# Altium PCB CL-HC-M-V2.1gerber.PcbDoc (part 11 of 16) (continued)
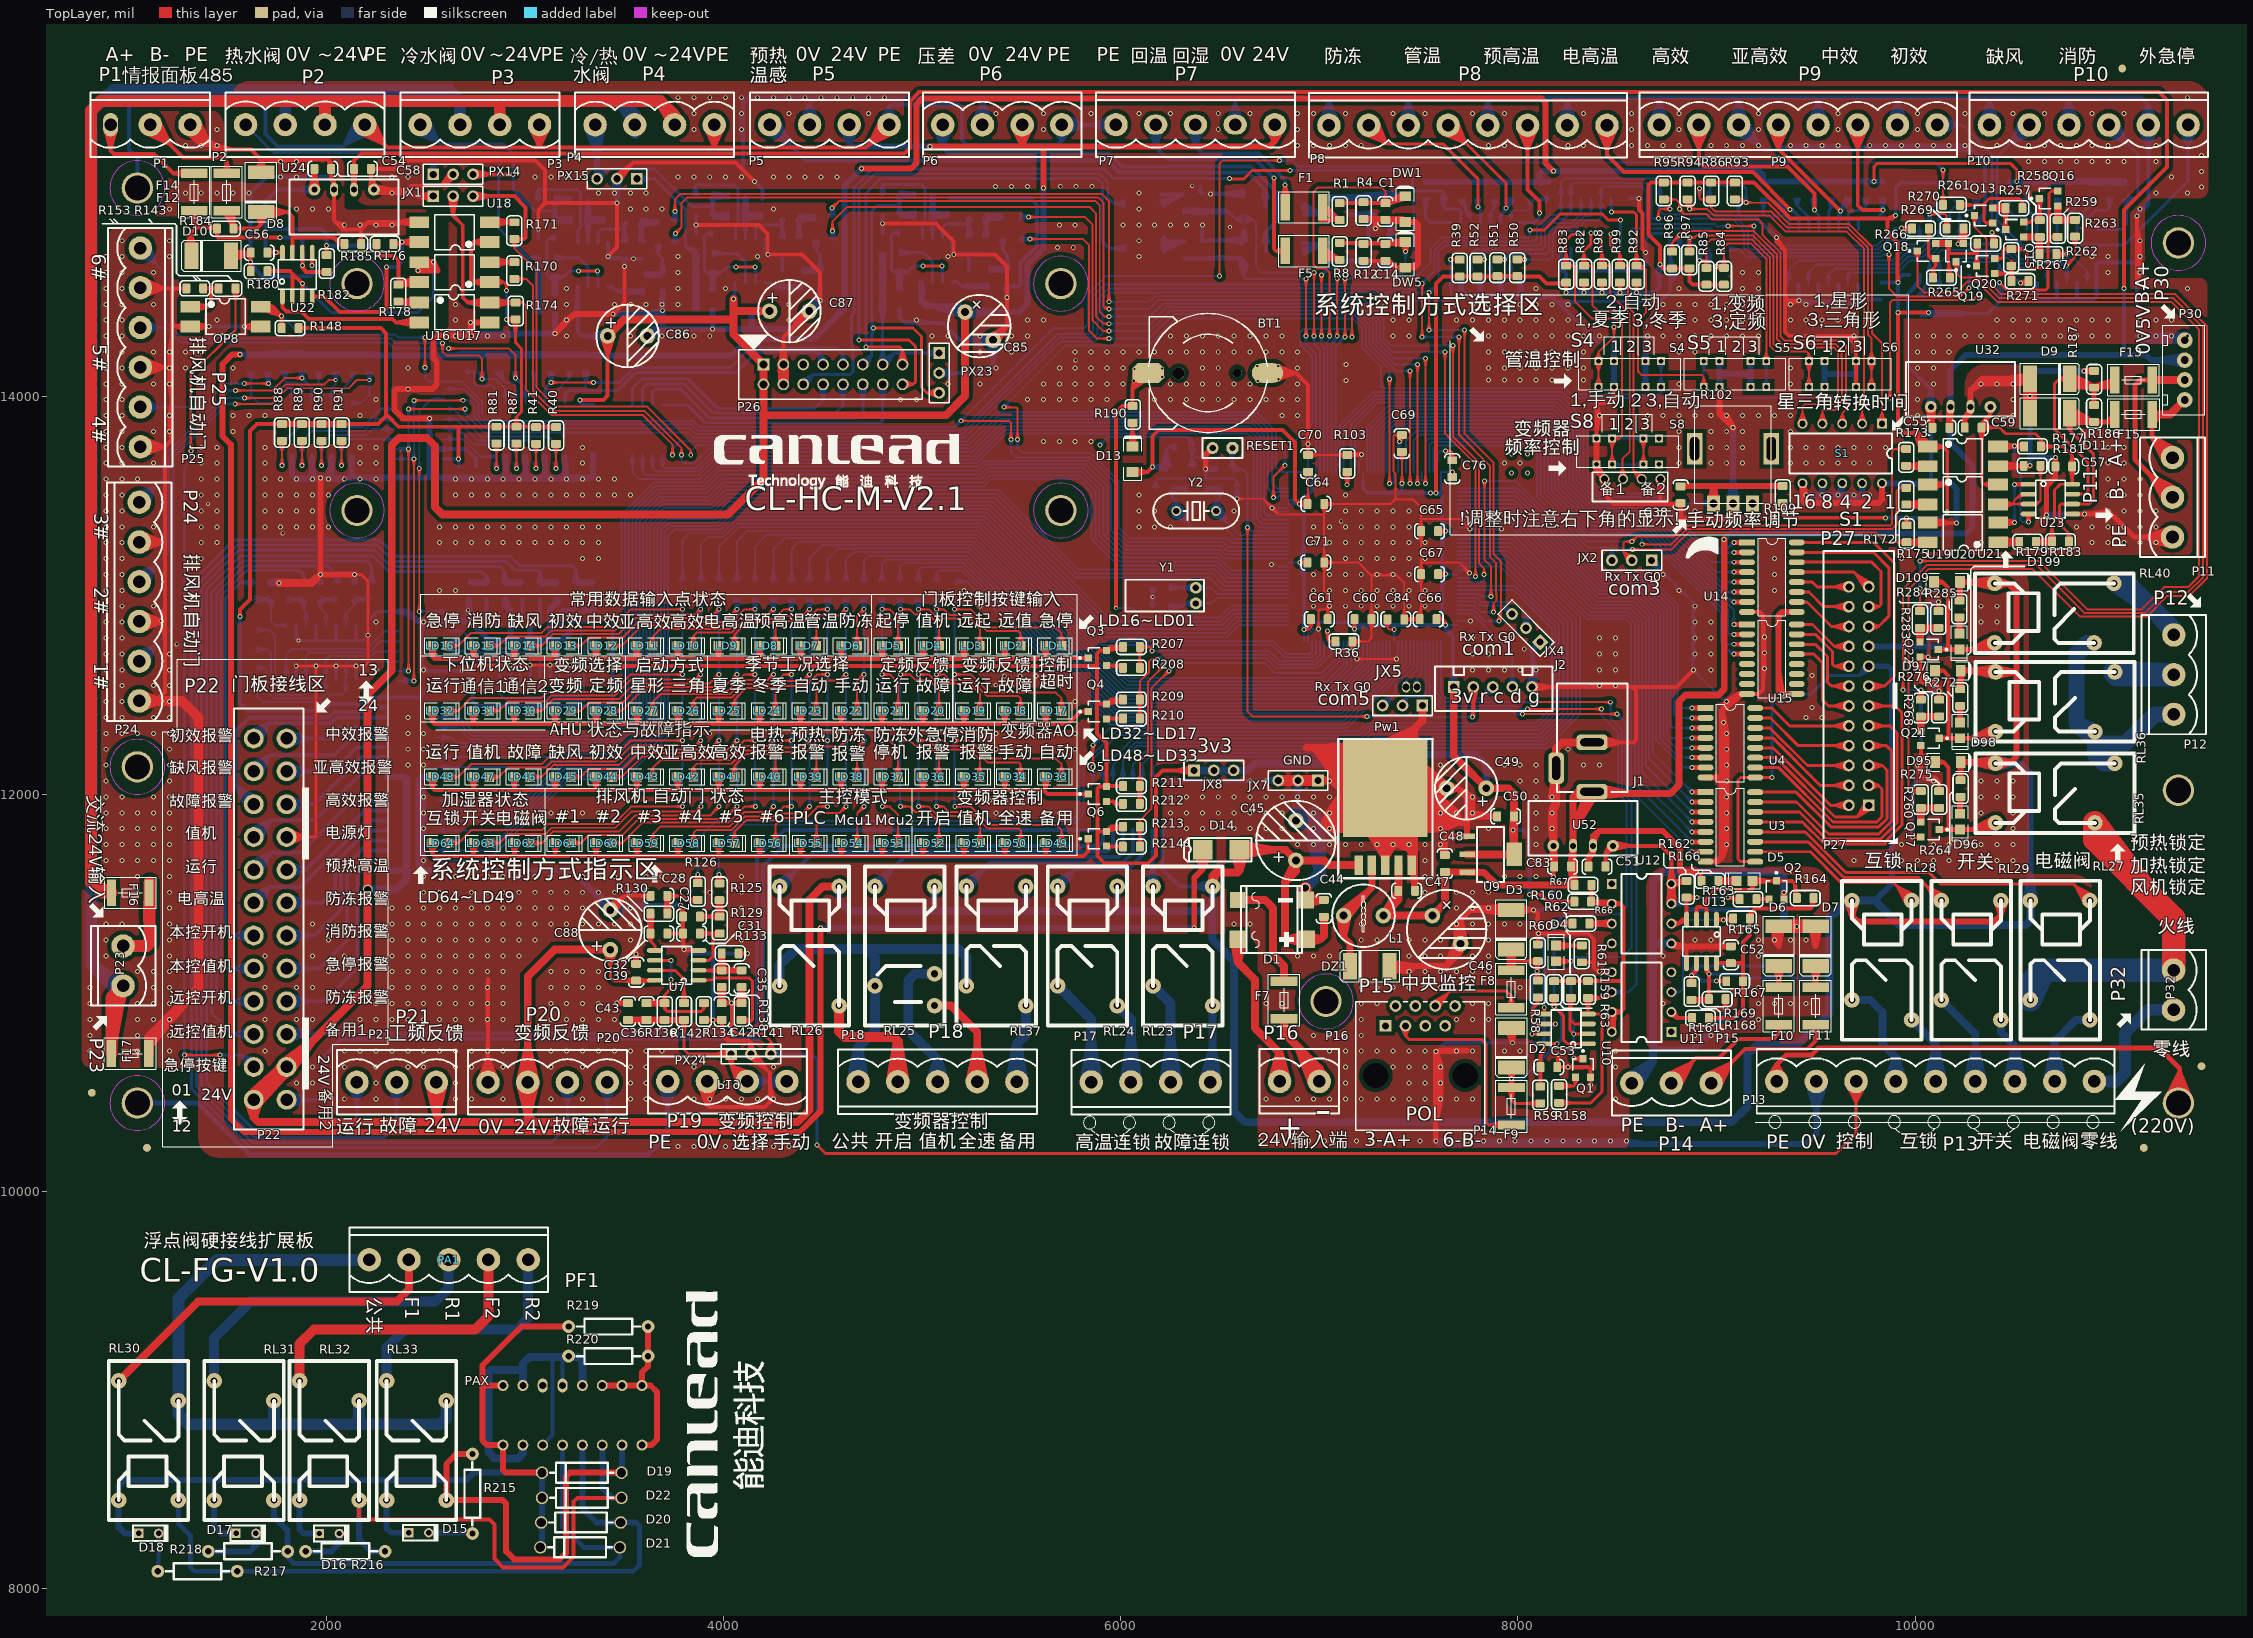
[diagram p0: TopLayer view]
## Nets (pads, with @x,y where several pads share a name; then routed paths per layer and width w, separated by ;. In a path a pad name is that pad's centre, name@x,y a point inside that pad or via, vN(x,y) a via of type N, cw(c..) or ccw(c..) an arc to the next point about the centre after c; other vN are vias at no path point) (continued)
LED-OUT-PIN15: LD15.K LD31.K LD47.K LD63.K R205.2 | length 8564.6
  TopLayer w10: LD47.K@2821.11,12086.56 2869.81,12086.56 ; LD31.K@2821.11,12419.54 2869.81,12419.54 ; LD15.K@2821.11,12747.17 2869.81,12747.17 ; LD63.K@2821.65,11753.58 2870.36,11753.58 ; LD47.K@2822.13,12076.61 2869.81,12086.56 ; LD47.K@2822.13,12096.51 2869.81,12086.56 ; LD31.K@2822.13,12409.59 2869.81,12419.54 ; LD31.K@2822.13,12429.49 2869.81,12419.54 ; LD15.K@2822.13,12737.22 2869.81,12747.17 ; LD15.K@2822.13,12757.11 2869.81,12747.17 ; LD63.K@2822.68,11743.63 2870.36,11753.58 ; LD63.K@2822.68,11763.52 2870.36,11753.58 ; LD47.K@2825.21,12066.98 2869.81,12086.56 ; LD47.K@2825.21,12106.13 2869.81,12086.56 ; LD31.K@2825.21,12399.97 2869.81,12419.54 ; LD31.K@2825.21,12439.12 2869.81,12419.54 ; LD15.K@2825.21,12727.59 2869.81,12747.17 ; LD15.K@2825.21,12766.74 2869.81,12747.17 ; LD63.K@2825.76,11734 2870.36,11753.58 ; LD63.K@2825.76,11773.15 2870.36,11753.58 ; v1@3879.97,12274.89 3860.09,12244.45 ; v1@3879.97,12607.87 3860.09,12577.44 ; v1@3879.97,12935.49 3860.09,12905.06 ; v1@3880.51,11941.9 3860.63,11911.47 ; v1@3890.52,12264.34 3860.09,12244.45 ; v1@3890.52,12597.32 3860.09,12577.44 ; v1@3890.52,12924.94 3860.09,12905.06 ; v1@3891.06,11931.35 3860.63,11911.47 ; 2869.81,12086.56 2916.51,12133.26 3105.55,12133.26 3136.05,12163.76 3455.3,12163.76 3535.99,12244.45 3860.09,12244.45 ; 2869.81,12419.54 2916.51,12466.24 3105.55,12466.24 3136.05,12496.74 3455.3,12496.74 3535.99,12577.44 3860.09,12577.44 ; 2869.81,12747.17 2916.51,12793.87 3105.55,12793.87 3136.05,12824.37 3455.3,12824.37 3535.99,12905.06 3860.09,12905.06 ; 2870.36,11753.58 2917.06,11800.28 3106.09,11800.28 3136.59,11830.78 3455.84,11830.78 3536.54,11911.47 3860.63,11911.47 ; 3860.09,12244.45 v1(3885.79,12270.16) 3860.09,12244.45 ; 3860.09,12577.44 v1(3885.79,12603.14) 3860.09,12577.44 ; 3860.09,12905.06 v1(3885.79,12930.77) 3860.09,12905.06 ; 3860.63,11911.47 v1(3886.34,11937.18) 3860.63,11911.47
  BottomLayer w10: R205.2@3871.5,12983.84 v1@3886.34,12936.09 ; v1@3878.33,12269.4 3886.34,12227.65 ; v1@3878.33,12270.92 3886.34,12312.67 ; v1@3878.33,12602.38 3886.34,12560.63 ; v1@3878.32,12602.45 3885.97,12560.64 v1@3893.26,12602.51 ; v1@3878.33,12603.9 3886.34,12645.65 ; v1@3878.33,12930.01 3886.34,12888.25 ; v1@3878.39,12929.53 R205.2@3875.01,12972.54 ; v1@3878.78,12933.43 R205.2@3897.55,12972.2 ; v1@3878.86,11937.84 3886.34,11979.68 v1@3893.81,11937.84 ; 3885.79,12363.38 3886.34,12489.78 v1(3886.34,11937.18) ; v1@3892.86,12933.26 R205.2@3875.01,12972.54 ; v1@3893.16,12929.35 R205.2@3897.55,12972.2 ; v1@3893.27,12269.59 3886.34,12227.65 ; v1@3893.27,12270.72 3886.34,12312.67 ; v1@3893.27,12602.58 3886.34,12560.63 ; v1@3893.27,12603.71 3886.34,12645.65 ; v1@3893.27,12930.2 3886.34,12888.25 ; R205.2@3901.16,12983.84 v1@3886.34,12936.09 ; R205.2@3875.01,12972.54 v1(3885.79,12930.77) ; v1(3885.79,12603.14) 3886.34,12476.74 R205.2@3886.33,12986.09 v1@3886.34,12936.09 ; v1(3885.79,12603.14) 3886.34,12645.65 ; v1(3885.79,12603.14) 3886.34,12560.63 ; v1(3885.79,12930.77) R205.2@3897.55,12972.2 ; v1(3885.79,12930.77) R205.2@3886.33,12973.28 ; v1(3885.79,12930.77) R205.2@3886.34,12973.27 ; v1(3885.79,12930.77) 3886.34,12888.25 ; 3886.34,12227.65 v1(3885.79,12270.16) 3886.34,12312.67 ; R205.2@3886.33,12973.28 3878.33,12931.52 R205.2@3886.34,12973.27 ; R205.2@3886.33,12973.28 3893.27,12931.33 R205.2@3886.34,12973.27
LED-OUT-PIN16: LD16.K LD32.K LD48.K LD64.K R206.2 | length 9079.1
  TopLayer w10: LD48.K@2615.32,12086.56 2664.55,12086.56 ; LD32.K@2615.32,12419.54 2664.55,12419.54 ; LD16.K@2615.32,12747.17 2664.55,12747.17 ; LD64.K@2615.86,11753.58 2665.1,11753.58 ; LD48.K@2616.33,12076.61 2664.55,12086.56 ; LD48.K@2616.33,12096.51 2664.55,12086.56 ; LD32.K@2616.33,12409.59 2664.55,12419.54 ; LD32.K@2616.33,12429.49 2664.55,12419.54 ; LD16.K@2616.33,12737.22 2664.55,12747.17 ; LD16.K@2616.33,12757.11 2664.55,12747.17 ; LD64.K@2616.88,11743.63 2665.1,11753.58 ; LD64.K@2616.88,11763.52 2665.1,11753.58 ; LD48.K@2619.38,12066.98 2664.55,12086.56 ; LD48.K@2619.38,12106.14 2664.55,12086.56 ; LD32.K@2619.38,12399.96 2664.55,12419.54 ; LD32.K@2619.38,12439.12 2664.55,12419.54 ; LD16.K@2619.38,12727.58 2664.55,12747.17 ; LD16.K@2619.38,12766.75 2664.55,12747.17 ; LD64.K@2619.92,11733.99 2665.1,11753.58 ; LD64.K@2619.92,11773.16 2665.1,11753.58 ; v1@3793.9,12262.69 3752.07,12270.16 ; v1@3793.9,12277.63 3752.07,12270.16 ; v1@3793.9,12595.67 3752.07,12603.14 ; v1@3793.9,12610.61 3752.07,12603.14 ; v1@3793.9,12923.29 3752.07,12930.77 ; v1@3793.9,12938.24 3752.07,12930.77 ; v1@3794.45,11929.7 3752.61,11937.18 ; v1@3794.45,11944.65 3752.61,11937.18 ; 2664.55,12086.56 2729.25,12151.26 3084.38,12151.26 3114.89,12181.76 3445.99,12181.76 3534.39,12270.16 v1(3794.57,12270.16) 3752.07,12270.16 ; 2664.55,12419.54 2729.25,12484.24 3084.38,12484.24 3114.89,12514.74 3445.99,12514.74 3534.39,12603.14 v1(3794.57,12603.14) 3752.07,12603.14 ; 2664.55,12747.17 2729.25,12811.87 3084.38,12811.87 3114.89,12842.37 3445.99,12842.37 3534.39,12930.77 v1(3794.57,12930.77) 3752.07,12930.77 ; 2665.1,11753.58 2729.8,11818.28 3084.93,11818.28 3115.43,11848.78 3446.53,11848.78 3534.93,11937.18 v1(3795.11,11937.18) 3752.61,11937.18
  BottomLayer w10: R206.2@3780.28,12983.84 v1@3795.11,12936.09 ; v1@3787.1,12269.4 3795.11,12227.65 ; v1@3787.1,12270.92 3795.11,12312.67 ; v1@3787.1,12602.38 3795.11,12560.63 ; v1@3787.1,12602.45 3794.76,12560.64 v1@3802.04,12602.51 ; v1@3787.1,12603.9 3795.11,12645.65 ; v1@3787.1,12930.01 3795.11,12888.25 ; v1@3787.17,12929.53 R206.2@3783.79,12972.54 ; v1@3787.56,12933.43 R206.2@3806.32,12972.2 ; v1@3787.64,11937.84 3795.11,11979.68 v1@3802.58,11937.84 ; 3794.57,12363.38 3795.11,12483.26 ; R206.2@3795.11,12986.09 v1@3795.11,12936.09 ; v1(3795.11,11937.18) 3795.11,12483.26 ; R206.2@3795.11,12986.09 3795.11,12483.26 ; v1@3801.64,12933.26 R206.2@3783.79,12972.54 ; v1@3801.93,12929.35 R206.2@3806.32,12972.2 ; v1@3802.04,12269.59 3795.11,12227.65 ; v1@3802.04,12270.72 3795.11,12312.67 ; v1@3802.04,12602.58 3795.11,12560.63 ; v1@3802.04,12603.71 3795.11,12645.65 ; v1@3802.04,12930.2 3795.11,12888.25 ; R206.2@3809.94,12983.84 v1@3795.11,12936.09 ; R206.2@3783.79,12972.54 v1(3794.57,12930.77) ; v1(3794.57,12603.14) 3795.11,12483.26 ; v1(3794.57,12603.14) 3795.11,12645.65 ; v1(3794.57,12603.14) 3795.11,12560.63 ; v1(3794.57,12930.77) R206.2@3806.32,12972.2 ; v1(3794.57,12930.77) R206.2@3795.11,12973.28 ; v1(3794.57,12930.77) R206.2@3795.11,12973.27 ; v1(3794.57,12930.77) 3795.11,12888.25 ; R206.2@3795.11,12973.28 3787.1,12931.52 R206.2@3795.11,12973.27 ; R206.2@3795.11,12973.28 3802.04,12931.33 R206.2@3795.11,12973.27 ; 3795.11,12227.65 v1(3794.57,12270.16) 3795.11,12312.67
LED-PIN01: R191.1 U33.118 | length 2993.7
  BottomLayer w10: R191.1@5163.5,13071.09 5226.2,13071.09 5945.61,12351.69 7132.16,12351.69 7435.77,12655.3 U33.118@7435.77,12768.25 ; R191.1@5168.5,13071.09 5218.5,13071.09 ; R191.1@5170.75,13056.26 5218.5,13071.09 ; R191.1@5170.75,13085.92 5218.5,13071.09 ; 7435.77,12703.25 U33.118@7435.77,12738
LED-PIN02: R192.1 U33.119 | length 3049.6
  BottomLayer w10: R192.1@5057.52,13073.82 5072.28,13112.36 ; R192.1@5072.28,13071.09 5072.28,13112.36 ; R192.1@5087.03,13073.82 5072.28,13112.36 ; 7416.09,12703.25 U33.119@7416.09,12738 ; U33.119@7416.09,12768.25 7416.09,12661.07 7124.7,12369.69 5953.06,12369.69 5196.27,13126.48 5086.4,13126.48 5072.28,13112.36
LED-PIN03: R193.1 U33.122 | length 3127.8
  BottomLayer w10: R193.1@4966.22,13073.34 4981.05,13121.09 R193.1@4995.88,13073.34 ; R193.1@4981.05,13071.09 4981.05,13127.64 4997.89,13144.48 5203.73,13144.48 5960.52,12387.69 7117.24,12387.69 7357.03,12627.47 U33.122@7357.03,12768.25 ; 7357.03,12703.25 U33.122@7357.03,12738
LED-PIN04: R194.1 U33.123 | length 3207.5
  BottomLayer w10: R194.1@4874.99,13073.34 4889.82,13121.09 R194.1@4904.65,13073.34 ; R194.1@4889.82,13071.09 4889.82,13147.36 4904.94,13162.48 5211.18,13162.48 5967.98,12405.69 7109.79,12405.69 7337.35,12633.24 U33.123@7337.35,12768.25 ; 7337.35,12703.25 U33.123@7337.35,12738
LED-PIN05: R195.1 U33.124 | length 3284
  BottomLayer w10: R195.1@4783.77,13073.34 4798.6,13121.09 R195.1@4813.43,13073.34 ; R195.1@4798.6,13071.09 4798.6,13161.48 4817.6,13180.48 5218.64,13180.48 5975.43,12423.69 7102.33,12423.69 7317.66,12639.01 U33.124@7317.66,12768.25 ; 7317.66,12703.25 U33.124@7317.66,12738
LED-PIN06: R196.1 U33.125 | length 3359.1
  BottomLayer w10: R196.1@4692.54,13073.34 4707.37,13121.09 R196.1@4722.2,13073.34 ; R196.1@4707.37,13071.09 4707.37,13173.43 4732.42,13198.48 5226.09,13198.48 5982.89,12441.69 7094.88,12441.69 7297.98,12644.78 U33.125@7297.98,12768.25 ; 7297.98,12703.25 U33.125@7297.98,12738
LED-PIN07: R197.1 U33.126 | length 3432.7
  BottomLayer w10: R197.1@4601.31,13073.34 4616.14,13121.09 R197.1@4630.97,13073.34 ; R197.1@4616.14,13071.09 4616.14,13180.71 4653.31,13217.88 5235.8,13217.88 5994,12459.69 7087.42,12459.69 7278.29,12650.55 U33.126@7278.29,12768.25 ; 7278.29,12703.25 U33.126@7278.29,12738
LED-PIN08: R198.1 U33.127 | length 3502.3
  BottomLayer w10: R198.1@4510.09,13073.34 4524.92,13121.09 R198.1@4539.75,13073.34 ; R198.1@4524.92,13071.09 4524.92,13183.2 4577.59,13235.88 5243.26,13235.88 6001.45,12477.69 7079.97,12477.69 7258.61,12656.33 U33.127@7258.61,12768.25 ; 7258.61,12703.25 U33.127@7258.61,12738
LED-PIN09: R199.1 U33.128 | length 3575.3
  BottomLayer w10: R199.1@4418.86,13073.34 4433.69,13121.09 R199.1@4448.52,13073.34 ; R199.1@4433.69,13071.09 4433.69,13191.35 4496.22,13253.88 5250.72,13253.88 6008.91,12495.69 7072.51,12495.69 7238.92,12662.1 U33.128@7238.92,12768.25 ; 7238.92,12703.25 U33.128@7238.92,12738
LED-PIN10: R200.1 U33.129 | length 3667
  BottomLayer w10: R200.1@4327.63,13073.34 4342.47,13121.09 R200.1@4357.3,13073.34 ; R200.1@4342.47,13071.09 4342.47,13231.53 4382.81,13271.88 5258.17,13271.88 6016.36,12513.69 7065.05,12513.69 7219.24,12667.87 U33.129@7219.24,12768.25 ; 7219.24,12703.25 U33.129@7219.24,12738
LED-PIN11: R201.1 U33.132 | length 3715.2
  BottomLayer w10: R201.1@4236.41,13073.34 4251.24,13121.09 R201.1@4266.07,13073.34 ; R201.1@4251.24,13071.09 4251.24,13229.36 4311.76,13289.88 5265.63,13289.88 6023.82,12531.69 7053.64,12531.69 7160.18,12638.23 U33.132@7160.18,12768.25 ; 7160.18,12703.25 U33.132@7160.18,12738
LED-PIN12: R202.1 U33.133 | length 3794.2
  BottomLayer w10: R202.1@4145.18,13073.34 4160.01,13121.09 R202.1@4174.84,13073.34 ; R202.1@4160.01,13071.09 4160.01,13247.84 4220.05,13307.88 5273.08,13307.88 6031.28,12549.69 7046.18,12549.69 7140.5,12644 U33.133@7140.5,12768.25 ; 7140.5,12703.25 U33.133@7140.5,12738
LED-PIN13: R203.1 U33.134 | length 3877.6
  BottomLayer w10: R203.1@4053.95,13073.34 4068.79,13121.09 R203.1@4083.62,13073.34 ; R203.1@4068.79,13071.09 4068.79,13273.89 4120.78,13325.88 5280.54,13325.88 6038.73,12567.69 7038.73,12567.69 7120.81,12649.77 U33.134@7120.81,12768.25 ; 7120.81,12703.25 U33.134@7120.81,12738
LED-PIN14: R204.1 U33.135 | length 3921.4
  BottomLayer w10: R204.1@3962.73,13073.34 3977.56,13121.09 R204.1@3992.39,13073.34 ; R204.1@3977.56,13071.09 3977.56,13245.11 4076.33,13343.88 5288,13343.88 6046.19,12585.69 7018.38,12585.69 7101.13,12668.43 U33.135@7101.13,12768.25 ; 7101.13,12703.25 U33.135@7101.13,12738
LED-PIN15: R205.1 U33.141 | length 3804.2
  BottomLayer w10: R205.1@3871.5,13073.34 3886.33,13121.09 R205.1@3901.16,13073.34 ; R205.1@3886.33,13071.09 3886.33,13257.6 3924.17,13295.43 4001.75,13295.43 4069.23,13362.91 5294.94,13362.91 5908.07,12749.78 6763.75,12749.78 6825.27,12688.26 6962.95,12688.26 6983.02,12708.33 ; U33.141@6983.02,12738 6983.02,12708.33 ; U33.141@6983.02,12768.25 6983.02,12708.33
LED-PIN16: R206.1 U33.142 | length 3873.7
  BottomLayer w10: R206.1@3780.28,13073.34 3795.11,13121.09 R206.1@3809.94,13073.34 ; R206.1@3795.11,13071.09 3795.11,13281.49 3827.05,13313.43 3994.3,13313.43 4061.78,13380.92 5305.32,13380.92 5918.46,12767.78 6771.21,12767.78 6832.72,12706.26 6951.19,12706.26 6963.33,12718.4 ; U33.142@6963.33,12738 6963.33,12718.4 ; U33.142@6963.33,12768.25 6963.33,12718.4
L加热: P12.2 RL36.3 | length 582.6
  BottomLayer w118.11: RL36.3@11004.37,12615.01 P12.2@11302.26,12601.51 RL36.3@11017.87,12601.51
L变频: P12.3 RL35.3 RL36.4 RL40.4 | length 1683.8
  BottomLayer w80: P12.3@11302.26,12401.51 11205.31,12401.51 11059.83,12256.03 10904.37,12256.03 ; 10812.38,12356.36 10812.38,12710.36 ; 10812.38,12356.36 10853.72,12315.01 ; 10812.38,12356.36 RL36.4@10904.37,12315.01 ; 10812.38,12710.36 10863.47,12761.46 RL40.4@10900.31,12761.46 10812.38,12710.36 ; 10853.72,12315.01 RL36.4@10904.37,12315.01 ; 10853.72,12315.01 RL36.4@10904.37,12315.01 ; 10904.37,12198.37 10947.74,12155 ; 10904.37,12198.37 RL35.3@11004.37,12155 ; 10904.37,12198.37 10904.37,12256.03 ; 10904.37,12256.03 RL36.4@10904.37,12315.01 ; 10947.74,12155 RL35.3@11004.37,12155 ; 10947.74,12155 RL35.3@11004.37,12155
L预热: P12.1 RL40.3 | length 1137.5
  BottomLayer w80: 11091.69,13045.04 P12.1@11302.26,12801.51 11302.26,12834.48 11075.28,13061.46 ; 11254.95,12881.78 RL40.3@11000.31,13061.46 ; RL40.3@11000.31,13061.46 11075.28,13061.46 ; RL40.3@11000.31,13061.46 11075.28,13061.46
MCUVBAT: BT1.1 R190.2 U33.6 | length 3272.5
  TopLayer w20: 5977.53,13006.76 v2(5977.54,12936.76) 5977.53,13921.8 6009.98,13954.25 ; R190.2@6055.46,13954.25 6009.98,13954.25 ; BT1.1@6124.89,14108.3 6060.46,14041.31 ; BT1.1@6137.85,14092.78 6060.46,14041.31 ; BT1.1@6139.26,14120.12 6060.46,14041.31 ; 6009.98,13954.25 R190.2@6060.46,13954.25 6060.46,14041.31 ; 6060.46,14041.31 6072.85,14133.42 v2(6066.53,14081.83) ; 6060.46,14041.31 6092.48,14128.56 v2(6066.53,14081.83) ; 6060.46,14041.31 6109.74,14120.12 v2(6066.53,14081.83) ; 6060.46,14041.31 v2(6066.53,14081.83) ; 6060.46,14041.31 v2(6066.53,14081.83) ; 6060.46,14041.31 v2(6066.53,14081.83) ; v2(6066.53,14081.83) v2(6069.82,14140.38) 6064.18,14069 v2(6066.53,14081.83)
  BottomLayer w10: 6017.54,12936.75 v2(5977.54,12936.76) 6060.54,12936.75 6107.94,12889.35 6496.76,12889.35 6556.77,12949.35 U33.6@6841.28,12949.35 ; 6776.28,12949.35 U33.6@6811.03,12949.35
  other v2: 6209.97,14100.13 6208.51,14142.95
NetC4_1: C4.1 R100.2 R106.1 | length 1423.4
  BottomLayer w15: C4.1@3575.3,14781.56 3587.74,14845.36 C4.1@3600.18,14781.56 ; R106.1@3575.3,14874.15 3587.74,14810.36 ; C4.1@3587.74,14780.36 R106.1@3587.74,14880.36 ; R106.1@3587.74,14885.36 R100.2@3653.31,14888.61 ; R106.1@3587.9,14862.86 R100.2@3653.46,14869.94 ; R106.1@3588.31,14897.84 R100.2@3653.31,14888.61 ; R106.1@3588.75,14867.9 R100.2@3652.76,14879.34 ; R106.1@3588.94,14867.91 3652.74,14880.36 R106.1@3588.94,14892.8 ; R106.1@3589.14,14892.78 R100.2@3652.76,14879.34 ; R106.1@3589.55,14872.99 R100.2@3653.31,14888.61 ; R106.1@3589.94,14887.66 R100.2@3653.46,14869.94 ; R106.1@3600.18,14874.15 3587.74,14810.36 ; R100.2@3669.09,14866.55 R106.1@3605.53,14880.36 ; R100.2@3669.63,14891.42 R106.1@3605.53,14880.36 ; 3587.74,14810.36 3587.74,14875.36 R100.2@3653.46,14869.94 ; R106.1@3587.74,14880.36 3669.16,14880.36 R100.2@3670.56,14878.96 R106.1@3605.53,14880.36 ; R106.1@3587.74,14880.36 R100.2@3652.76,14879.34
NetC5_1: C5.1 R101.2 R107.1 | length 1508.7
  BottomLayer w15: R107.1@3602.74,14616.21 C5.1@3692.74,14616.21 3692.74,14695.36 3672.13,14715.97 ; R107.1@3607.06,14603.72 C5.1@3673.02,14606.4 ; R107.1@3607.06,14628.69 C5.1@3673.02,14626.01 ; R107.1@3610.76,14604.08 C5.1@3673.02,14626.01 ; R107.1@3610.76,14628.34 C5.1@3673.02,14606.4 ; R101.2@3659.73,14762.94 3672.13,14715.97 ; R101.2@3672.13,14764.55 3672.13,14715.97 ; R101.2@3672.13,14769.55 3672.13,14715.97 ; C5.1@3680.3,14617.41 3692.74,14681.21 C5.1@3705.18,14617.41 ; R101.2@3684.53,14762.94 3672.13,14715.97 ; C5.1@3686.54,14603.76 R107.1@3622.74,14616.21 ; C5.1@3686.54,14628.65 R107.1@3622.74,14616.21 ; C5.1@3687.74,14616.21 R107.1@3622.74,14616.21 ; R107.1@3607.74,14616.21 C5.1@3672.74,14616.21 ; R107.1@3607.74,14616.21 C5.1@3673.02,14606.4 ; R107.1@3607.74,14616.21 C5.1@3672.74,14616.21 ; R107.1@3607.74,14616.21 C5.1@3673.02,14626.01 ; C5.1@3672.74,14616.21 3608.94,14628.65 C5.1@3672.74,14616.21 ; C5.1@3672.74,14616.21 3608.94,14603.76 C5.1@3672.74,14616.21
NetC6_1: C6.1 R104.2 R108.1 | length 1158.8
  BottomLayer w15: C6.1@4368.71,14802.42 4381.15,14866.22 C6.1@4393.59,14802.42 ; R108.1@4368.71,14895.01 4381.15,14831.22 ; C6.1@4381.15,14801.22 R108.1@4381.15,14901.22 R104.2@4462.57,14901.22 ; R108.1@4381.15,14906.22 R104.2@4446.39,14910.74 ; R108.1@4381.48,14883.72 R104.2@4446.39,14891.69 ; R108.1@4381.48,14918.71 R104.2@4446.39,14910.74 ; R108.1@4382.36,14888.77 4446.15,14901.22 R108.1@4382.36,14913.66 ; R108.1@4383.21,14893.89 R104.2@4446.39,14910.74 ; R108.1@4383.21,14908.55 R104.2@4446.39,14891.69 ; R108.1@4393.6,14895.01 4381.15,14831.22 ; R104.2@4461.37,14888.77 4397.57,14901.22 R104.2@4461.37,14913.66 ; 4381.15,14831.22 4381.15,14896.22 R104.2@4446.39,14891.69
NetC7_1: C7.1 R105.2 R110.1 | length 1573.7
  BottomLayer w15: R110.1@4396.15,14637.07 C7.1@4486.15,14637.07 ; R110.1@4400.47,14624.58 C7.1@4466.43,14627.26 ; R110.1@4400.47,14649.55 C7.1@4466.43,14646.87 ; R110.1@4404.17,14624.94 C7.1@4466.43,14646.87 ; R110.1@4404.17,14649.2 C7.1@4466.43,14627.26 ; R105.2@4453.14,14783.8 4465.54,14736.83 ; R105.2@4465.54,14785.41 4465.54,14736.83 ; R105.2@4465.54,14790.41 4465.54,14736.83 ; C7.1@4473.71,14638.27 4486.15,14702.07 ; R105.2@4477.94,14783.8 4465.54,14736.83 ; C7.1@4479.95,14624.62 R110.1@4416.15,14637.07 ; C7.1@4479.95,14649.51 R110.1@4416.15,14637.07 ; C7.1@4481.15,14637.07 R110.1@4416.15,14637.07 ; C7.1@4498.6,14638.27 4486.15,14702.07 ; R110.1@4401.15,14637.07 C7.1@4466.15,14637.07 ; R110.1@4401.15,14637.07 C7.1@4466.43,14646.87 ; R110.1@4401.15,14637.07 C7.1@4466.15,14637.07 ; R110.1@4401.15,14637.07 C7.1@4466.43,14627.26 ; 4465.54,14736.83 4486.15,14716.22 C7.1@4486.15,14637.07 ; C7.1@4466.15,14637.07 4402.36,14649.51 C7.1@4466.15,14637.07 ; C7.1@4466.15,14637.07 4402.36,14624.62 C7.1@4466.15,14637.07 ; C7.1@4486.15,14637.07 4486.15,14702.07
NetC8_1: C8.1 R106.2 U1.3 | length 538.9
  BottomLayer w15: U1.3@3367.74,14773.68 3367.74,14825.78 ; U1.3@3367.74,14801.68 3367.74,14825.78 ; C8.1@3490.3,14781.56 3502.74,14845.36 C8.1@3515.18,14781.56 ; R106.2@3490.52,14872.74 3502.74,14845.5 ; C8.1@3502.74,14780.36 3502.74,14845.5 ; R106.2@3502.74,14875.36 3502.74,14845.5 ; R106.2@3502.74,14880.36 3502.74,14845.5 ; R106.2@3514.96,14872.74 3502.74,14845.5 ; 3367.74,14825.78 3387.46,14845.5 3502.74,14845.5
NetC9_1: C9.1 R107.2 U1.5 | length 1501.7
  BottomLayer w15: U1.5@3417.74,14553.68 3441.9,14553.68 3464.37,14531.21 ; C9.1@3495.4,14518.93 3464.37,14531.21 ; C9.1@3495.4,14543.48 3464.37,14531.21 ; C9.1@3497.74,14531.21 3464.37,14531.21 ; C9.1@3507.74,14531.21 3572.74,14531.21 ; C9.1@3508.94,14518.76 3572.74,14531.21 ; C9.1@3508.94,14543.65 3572.74,14531.21 ; R107.2@3595.08,14518.99 3532,14539.15 ; R107.2@3595.08,14543.42 3532,14523.26 ; R107.2@3598.06,14518.71 3532,14523.26 ; R107.2@3598.06,14543.7 3532,14539.15 ; R107.2@3602.74,14531.21 C9.1@3502.74,14531.21 3464.37,14531.21 ; 3532,14523.26 R107.2@3597.74,14531.21 ; 3532,14539.15 R107.2@3597.74,14531.21 ; 3532.74,14531.21 3596.54,14518.76 3532.74,14531.21 ; 3532.74,14531.21 3596.54,14543.65 3532.74,14531.21 ; 3532.74,14531.21 R107.2@3597.74,14531.21 ; 3532.74,14531.21 R107.2@3597.74,14531.21 ; 3572.74,14531.21 R107.2@3594.62,14519.1 ; 3572.74,14531.21 R107.2@3594.62,14543.31 ; 3572.74,14531.21 R107.2@3597.74,14531.21 ; 3572.74,14531.21 R107.2@3594.62,14519.1 ; 3572.74,14531.21 R107.2@3594.62,14543.31 ; 3572.74,14531.21 R107.2@3597.74,14531.21 ; 3572.74,14531.21 R107.2@3594.62,14519.1 ; 3572.74,14531.21 R107.2@3594.62,14543.31 ; 3572.74,14531.21 R107.2@3597.74,14531.21
NetC10_1: C10.1 R108.2 U5.3 | length 538.9
  BottomLayer w15: U5.3@4161.15,14794.54 4161.15,14846.64 ; U5.3@4161.15,14822.54 4161.15,14846.64 ; C10.1@4283.71,14802.42 4296.15,14866.22 C10.1@4308.6,14802.42 ; R108.2@4283.93,14893.6 4296.15,14866.36 ; C10.1@4296.15,14801.22 4296.15,14866.36 ; R108.2@4296.15,14896.22 4296.15,14866.36 ; R108.2@4296.15,14901.22 4296.15,14866.36 ; R108.2@4308.38,14893.6 4296.15,14866.36 ; 4161.15,14846.64 4180.87,14866.36 4296.15,14866.36
NetC11_1: C11.1 R110.2 U5.5 | length 1501.7
  BottomLayer w15: U5.5@4211.15,14574.54 4235.31,14574.54 4257.78,14552.07 ; C11.1@4288.81,14539.79 4257.78,14552.07 ; C11.1@4288.81,14564.34 4257.78,14552.07 ; C11.1@4291.15,14552.07 4257.78,14552.07 ; C11.1@4301.15,14552.07 4366.15,14552.07 ; C11.1@4302.36,14539.62 4366.15,14552.07 ; C11.1@4302.36,14564.51 4366.15,14552.07 ; R110.2@4388.49,14539.85 4325.42,14560.01 ; R110.2@4388.49,14564.28 4325.42,14544.12 ; R110.2@4391.47,14539.57 4325.42,14544.12 ; R110.2@4391.47,14564.56 4325.42,14560.01 ; R110.2@4396.15,14552.07 C11.1@4296.15,14552.07 4257.78,14552.07 ; 4325.42,14544.12 R110.2@4391.15,14552.07 ; 4325.42,14560.01 R110.2@4391.15,14552.07 ; 4326.15,14552.07 4389.95,14539.62 4326.15,14552.07 ; 4326.15,14552.07 4389.95,14564.51 4326.15,14552.07 ; 4326.15,14552.07 R110.2@4391.15,14552.07 ; 4326.15,14552.07 R110.2@4391.15,14552.07 ; 4366.15,14552.07 R110.2@4388.03,14539.96 ; 4366.15,14552.07 R110.2@4388.03,14564.17 ; 4366.15,14552.07 R110.2@4391.15,14552.07 ; 4366.15,14552.07 R110.2@4388.03,14539.96 ; 4366.15,14552.07 R110.2@4388.03,14564.17 ; 4366.15,14552.07 R110.2@4391.15,14552.07 ; 4366.15,14552.07 R110.2@4388.03,14539.96 ; 4366.15,14552.07 R110.2@4388.03,14564.17 ; 4366.15,14552.07 R110.2@4391.15,14552.07
NetC12_1: C12.1 R111.2 R117.1 U1.2 | length 2902.1
  BottomLayer w15: R117.1@3305.25,14895.03 3309.8,14961.09 ; R117.1@3305.3,14884.15 3317.74,14820.36 ; C12.1@3305.3,14984.15 3317.74,14920.36 ; R117.1@3305.53,14898.02 3325.69,14961.09 ; 3310.05,14859.8 U1.2@3317.74,14801.68 ; U1.2@3317.74,14773.68 R117.1@3317.74,14890.36 ; C12.1@3317.74,14985.36 3317.74,14920.36 ; C12.1@3317.74,14990.36 R117.1@3317.74,14890.36 ; R117.1@3318.03,14872.86 R111.2@3382.71,14880.61 ; R117.1@3318.03,14907.85 R111.2@3382.71,14900.1 ; R117.1@3319.84,14883.03 R111.2@3382.71,14900.1 ; R117.1@3319.84,14897.68 R111.2@3382.71,14880.61 ; 3325.43,14859.8 U1.2@3317.74,14801.68 ; R117.1@3329.95,14898.02 3309.8,14961.09 ; R117.1@3330.18,14884.15 3317.74,14820.36 ; C12.1@3330.18,14984.15 3317.74,14920.36 ; R117.1@3330.24,14895.03 3325.69,14961.09 ; R111.2@3396.54,14877.91 R117.1@3332.74,14890.36 ; R111.2@3396.54,14902.8 R117.1@3332.74,14890.36 ; R111.2@3397.74,14890.36 R117.1@3332.74,14890.36 ; R111.2@3402.74,14890.36 R117.1@3317.74,14890.36 ; R117.1@3305.64,14898.48 3317.74,14920.36 ; R117.1@3305.64,14898.48 3317.74,14920.36 ; R117.1@3305.64,14898.48 3317.74,14920.36 ; 3309.8,14961.09 R117.1@3317.74,14895.36 ; U1.2@3317.74,14801.68 3317.74,14858.68 U1.2@3317.74,14801.68 ; U1.2@3317.74,14801.68 3317.74,14820.36 ; U1.2@3317.74,14801.68 3317.74,14820.36 ; U1.2@3317.74,14801.68 3317.74,14820.36 ; 3317.74,14820.36 3317.74,14885.36 R111.2@3382.71,14880.61 ; R117.1@3317.74,14890.36 R111.2@3382.74,14890.36 ; R117.1@3317.74,14895.36 3317.74,14960.36 ; R117.1@3317.74,14895.36 3325.69,14961.09 ; R117.1@3317.74,14895.36 3317.74,14920.36 ; R117.1@3317.74,14895.36 3317.74,14920.36 ; R117.1@3317.74,14895.36 3317.74,14960.36 ; R117.1@3317.74,14895.36 3317.74,14920.36 ; R117.1@3317.74,14895.36 R111.2@3382.71,14900.1 ; 3317.74,14920.36 R117.1@3329.84,14898.48 ; 3317.74,14920.36 R117.1@3329.84,14898.48 ; 3317.74,14920.36 R117.1@3329.84,14898.48 ; 3317.74,14960.36 3305.3,14896.56 3317.74,14960.36 ; 3317.74,14960.36 3330.18,14896.56 3317.74,14960.36 ; R111.2@3382.74,14890.36 3318.94,14902.8 R111.2@3382.74,14890.36 ; R111.2@3382.74,14890.36 3318.94,14877.91 R111.2@3382.74,14890.36
NetC16_1: C16.1 R112.2 R115.1 U1.6 | length 2051.5
  TopLayer w15: v1(3270.63,14634.14) v1(3366.23,14634.14)
  BottomLayer w15: R115.1@3140.26,14598.73 C16.1@3143.18,14532.43 ; C16.1@3140.3,14517.68 R115.1@3152.74,14581.48 ; R115.1@3140.6,14595.14 C16.1@3162.31,14532.43 ; R115.1@3150.05,14590.89 3123.75,14603.1 ; R115.1@3150.05,14615.31 3123.75,14603.1 ; R112.2@3150.02,14788.16 3124.05,14800.36 ; R112.2@3150.02,14812.56 3124.05,14800.36 ; C16.1@3152.74,14511.48 R115.1@3152.74,14603.1 ; C16.1@3152.74,14516.48 R115.1@3152.74,14581.48 ; R112.2@3152.74,14800.36 3124.05,14800.36 ; R115.1@3154.66,14590.75 3193.41,14603.1 ; R115.1@3154.66,14615.45 3193.41,14603.1 ; R115.1@3164.89,14595.14 C16.1@3143.18,14532.43 ; C16.1@3165.18,14517.68 R115.1@3152.74,14581.48 ; R115.1@3165.23,14598.73 C16.1@3162.31,14532.43 ; U1.6@3367.74,14553.68 v1@3367.74,14632.63 ; U1.6@3367.74,14576.56 v1(3366.23,14634.14) ; 3123.75,14603.1 3111.31,14615.54 3111.31,14787.62 3124.05,14800.36 ; 3123.75,14603.1 R115.1@3152.74,14603.1 ; C16.1@3143.18,14532.43 R115.1@3152.74,14598.1 ; C16.1@3152.74,14533.1 3165.18,14596.9 C16.1@3152.74,14533.1 ; C16.1@3152.74,14533.1 3140.3,14596.9 C16.1@3152.74,14533.1 ; C16.1@3152.74,14533.1 R115.1@3152.74,14598.1 ; C16.1@3152.74,14533.1 R115.1@3152.74,14598.1 ; R115.1@3152.74,14598.1 C16.1@3162.31,14532.43 ; R115.1@3152.74,14603.1 3193.41,14603.1 ; 3193.41,14603.1 3224.45,14634.14 ; 3224.45,14634.14 v1(3270.63,14634.14) 3224.45,14634.14 ; v1(3366.23,14634.14) v1@3367.74,14632.63 ; v1(3366.23,14634.14) 3367.74,14581.68 v1@3367.74,14632.63
NetC17_1: C17.1 R113.2 R118.1 U5.2 | length 2902.1
  BottomLayer w15: R118.1@4098.66,14915.89 4103.21,14981.95 ; R118.1@4098.71,14905.01 4111.15,14841.22 ; C17.1@4098.71,15005.01 4111.15,14941.22 ; R118.1@4098.94,14918.88 4119.1,14981.95 ; 4103.46,14880.66 U5.2@4111.15,14822.54 ; U5.2@4111.15,14794.54 R118.1@4111.15,14911.22 ; C17.1@4111.15,15006.22 4111.15,14941.22 ; C17.1@4111.15,15011.22 R118.1@4111.15,14911.22 ; R118.1@4111.44,14893.72 R113.2@4176.13,14901.47 ; R118.1@4111.44,14928.71 R113.2@4176.13,14920.96 ; R118.1@4113.26,14903.89 R113.2@4176.13,14920.96 ; R118.1@4113.26,14918.54 R113.2@4176.13,14901.47 ; 4118.85,14880.66 U5.2@4111.15,14822.54 ; R118.1@4123.37,14918.88 4103.21,14981.95 ; R118.1@4123.6,14905.01 4111.15,14841.22 ; C17.1@4123.6,15005.01 4111.15,14941.22 ; R118.1@4123.65,14915.89 4119.1,14981.95 ; R113.2@4189.95,14898.77 R118.1@4126.15,14911.22 ; R113.2@4189.95,14923.66 R118.1@4126.15,14911.22 ; R113.2@4191.15,14911.22 R118.1@4126.15,14911.22 ; R113.2@4196.15,14911.22 R118.1@4111.15,14911.22 ; R118.1@4099.05,14919.34 4111.15,14941.22 ; R118.1@4099.05,14919.34 4111.15,14941.22 ; R118.1@4099.05,14919.34 4111.15,14941.22 ; 4103.21,14981.95 R118.1@4111.15,14916.22 ; U5.2@4111.15,14822.54 4111.15,14879.54 U5.2@4111.15,14822.54 ; U5.2@4111.15,14822.54 4111.15,14841.22 ; U5.2@4111.15,14822.54 4111.15,14841.22 ; U5.2@4111.15,14822.54 4111.15,14841.22 ; 4111.15,14841.22 4111.15,14906.22 R113.2@4176.13,14901.47 ; R118.1@4111.15,14911.22 R113.2@4176.15,14911.22 ; R118.1@4111.15,14916.22 4111.15,14981.22 ; R118.1@4111.15,14916.22 4119.1,14981.95 ; R118.1@4111.15,14916.22 4111.15,14941.22 ; R118.1@4111.15,14916.22 4111.15,14941.22 ; R118.1@4111.15,14916.22 4111.15,14981.22 ; R118.1@4111.15,14916.22 4111.15,14941.22 ; R118.1@4111.15,14916.22 R113.2@4176.13,14920.96 ; 4111.15,14941.22 R118.1@4123.26,14919.34 ; 4111.15,14941.22 R118.1@4123.26,14919.34 ; 4111.15,14941.22 R118.1@4123.26,14919.34 ; 4111.15,14981.22 4098.71,14917.42 4111.15,14981.22 ; 4111.15,14981.22 4123.6,14917.42 4111.15,14981.22 ; R113.2@4176.15,14911.22 4112.36,14923.66 R113.2@4176.15,14911.22 ; R113.2@4176.15,14911.22 4112.36,14898.77 R113.2@4176.15,14911.22